# Altium PCB main_not_rotated.PcbDoc (part 1 of 2) (continued)
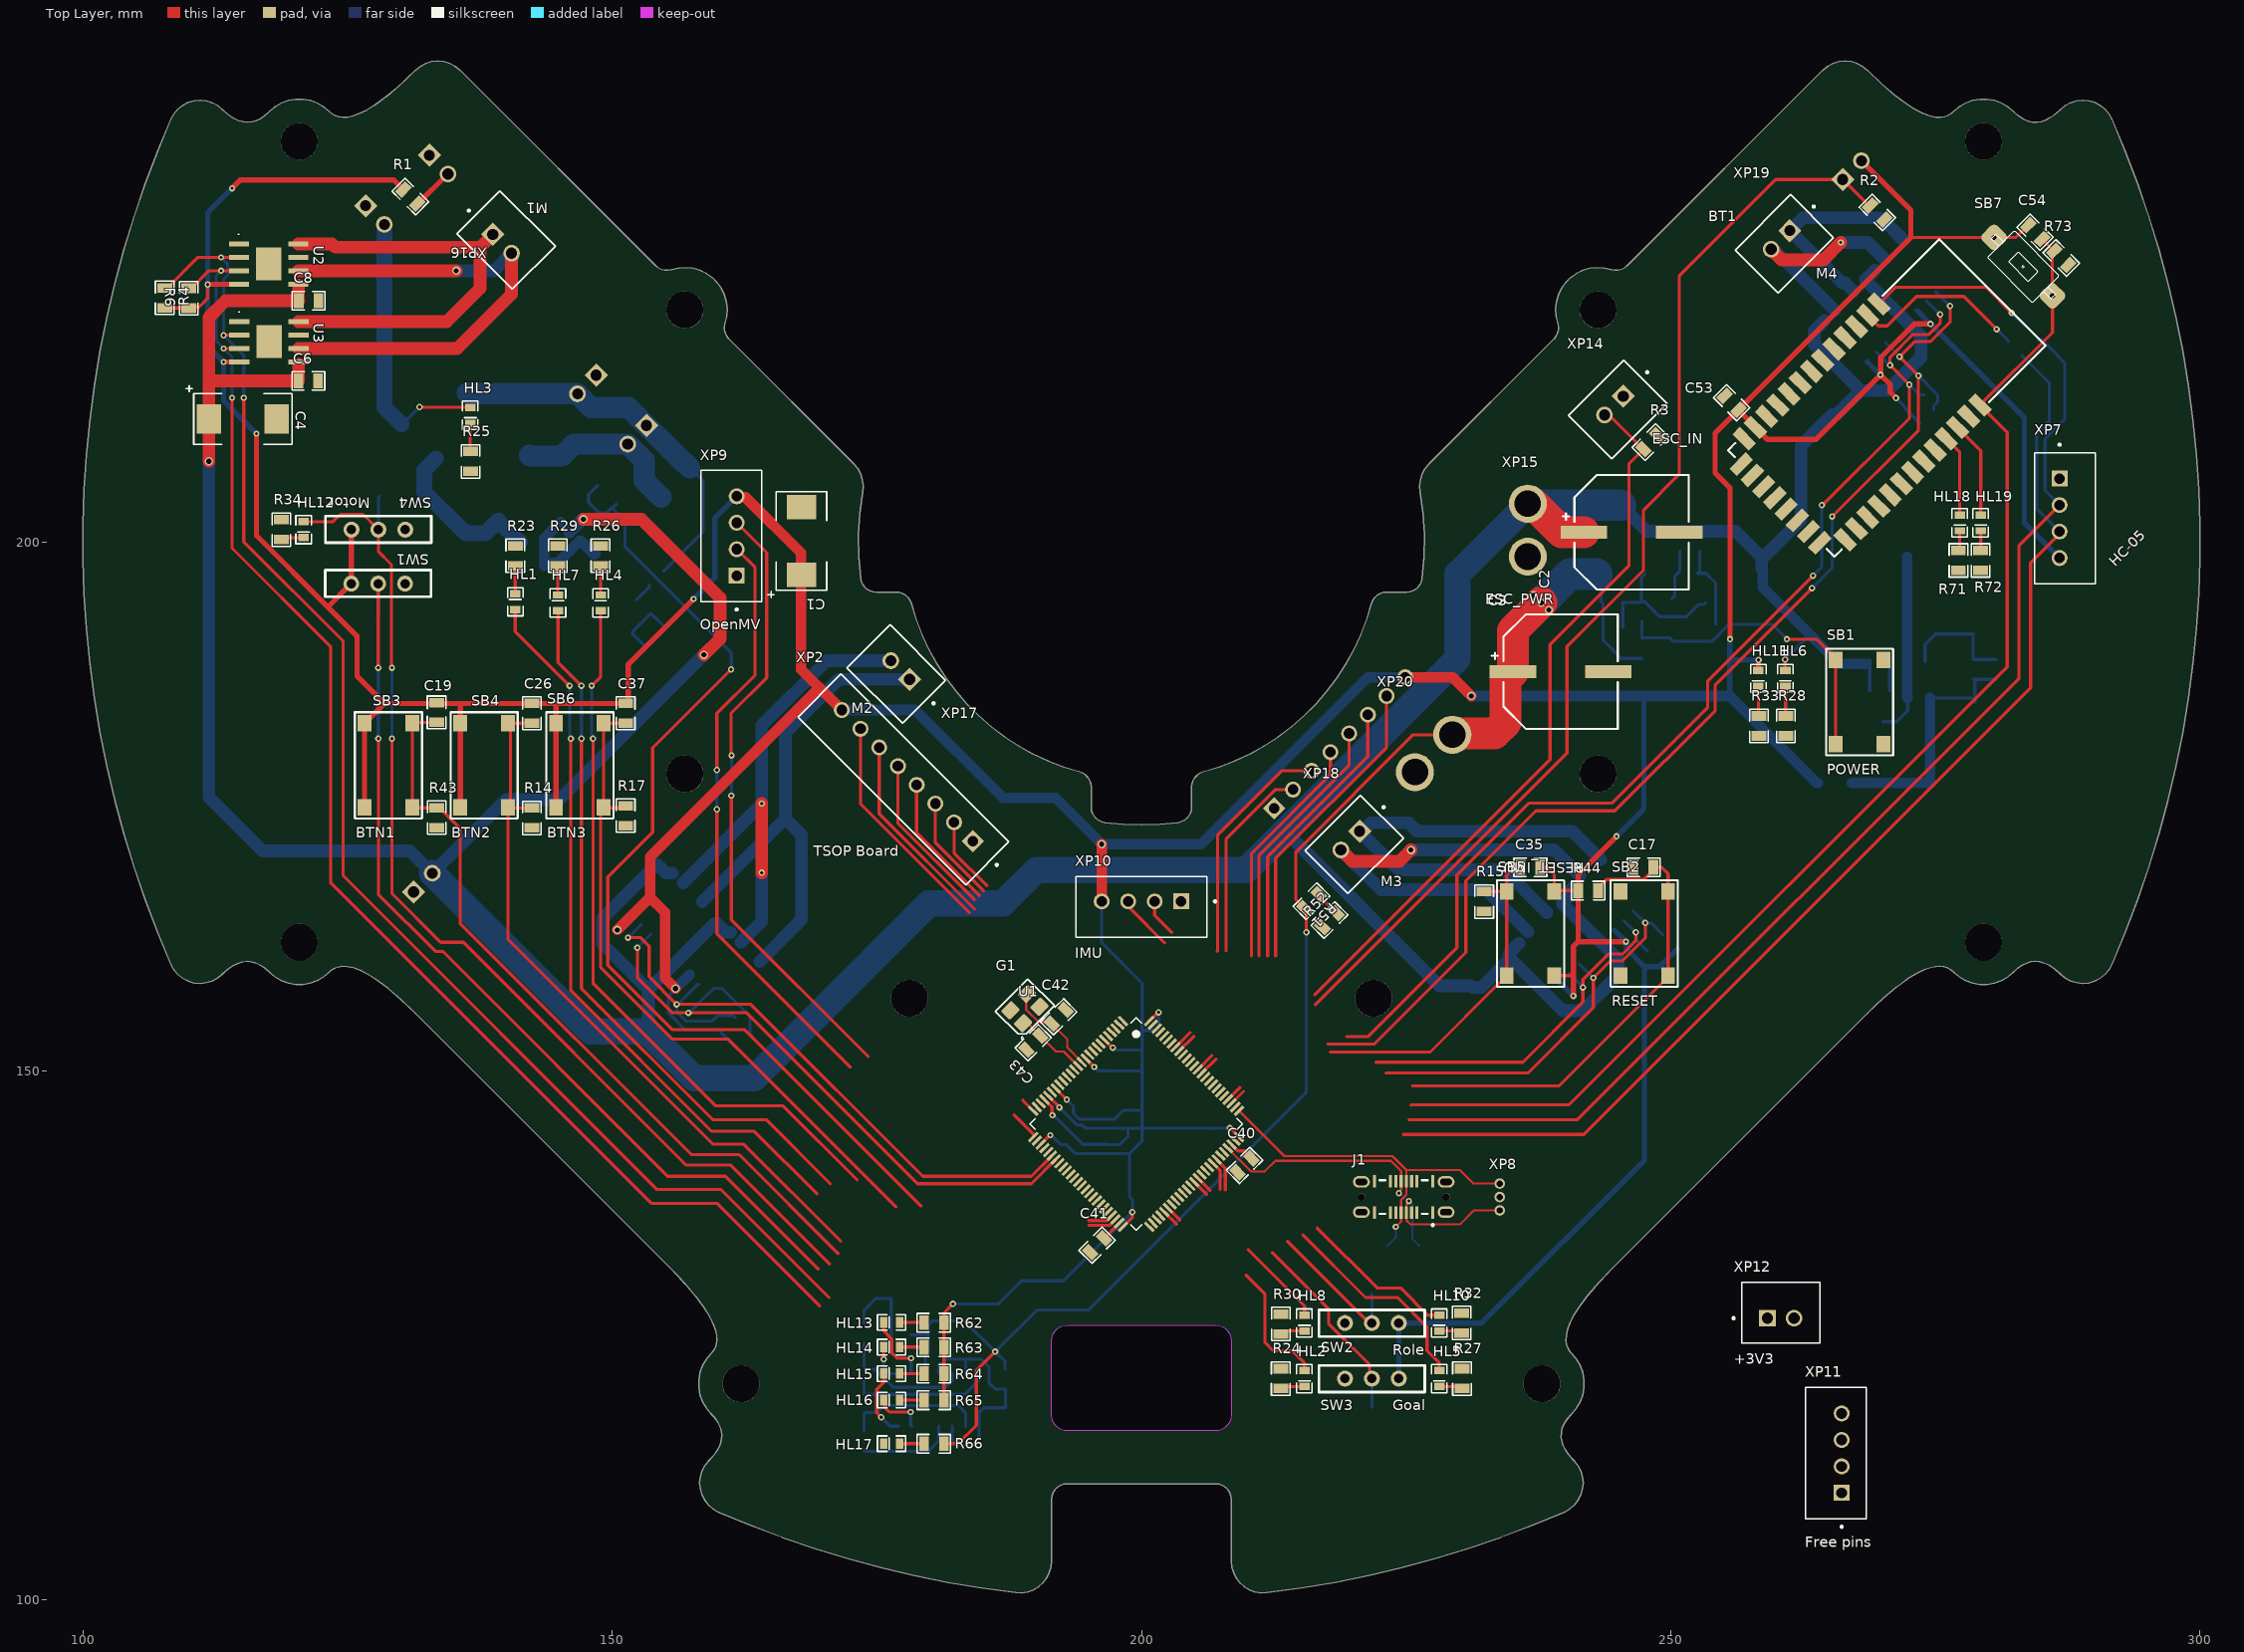
[diagram p0: Top Layer view]
## Components (designator, comment, footprint, x,y, rotation, side; value= is the part's Value field where it differs from the comment)
BT1 "HC-05" HC-05 269.737,212.799 r315 top
C1 "47uF" CAP_TANT_D 167.894,200.054 r90 top
C2 "470uF" D10C4.4H10 246.3,200.9 r0 top
C3 "25v 470uF" D10C4.4H10 239.6,187.732 r0 top
C4 "25v 47uF" CAP_TANT_D 115.1,211.6 r0 top
C5 "25v 47uF" CAP_TANT_D 152.765,149.8 r225 bottom
C6 "0.1uF" CAP0805 121.3,215.194 r180 top
C7 "0.1uF" CAP0805 154.879,170.2 r225 bottom
C8 "0.1uF" CAP0805 121.337,222.793 r180 top
C9 "0.1uF" CAP0805 160.317,164.574 r225 bottom
C10 "25v 47uF" CAP_TANT_D 234.5,155.8 r315 bottom
C11 "25v 47uF" CAP_TANT_D 263.018,214.283 r135 bottom
C12 "0.1uF" CAP0805 234.1,161.4 r315 bottom
C13 "0.1uF" CAP0805 262.867,220.586 r315 bottom
C14 "0.1uF" CAP0805 239.182,166.391 r315 bottom
C15 "0.1uF" CAP0805 267.788,225.41 r315 bottom
C16 "220uF" D8C3.2H12 258.6,200.92 r90 bottom
C17 "1uF" CAP0805 247.431,169.235 r0 top
C18 "1uF" CAP0805 266.858,187.523 r90 bottom
C19 "1uF" CAP0805 133.414,183.877 r270 top
C20 "1uF" CAP0805 198.75,149.083 r270 bottom
C21 "0.1uF" CAP0805 196.714,149.1 r270 bottom
C22 "1uF" CAP0805 194.73,142.144 r270 bottom
C23 "0.1uF" CAP0805 196.838,142.123 r270 bottom
C24 "0.1uF" CAP0805 200.069,146.282 r0 bottom
C25 "1uF" CAP0805 269.738,185.9 r180 bottom
C26 "1uF" CAP0805 142.426,183.8 r270 top
C27 "0.1uF" CAP0805 198.75,152.904 r90 bottom
C28 "0.1uF" CAP0805 192.666,142.1 r270 bottom
C29 "0.1uF" CAP0805 201.45,152.9 r270 bottom
C30 "0.1uF" CAP0805 197.948,138.095 r180 bottom
C31 "0.1uF" CAP0805 194.691,145.535 r270 bottom
C32 "0.1uF" CAP0805 206.828,143.623 r270 bottom
C33 "1uF" CAP0805 196.789,145.524 r270 bottom
C34 "1uF" CAP0805 279.664,184.81 r180 bottom
C35 "1uF" CAP0805 236.741,169.241 r180 top
C36 "330uF" D10C4.4H10 279.549,177.2 r0 bottom
C37 "1uF" CAP0805 151.28,183.8 r270 top
C38 "33nF" CAP0805 278.57,187.95 r270 bottom
C40 "2.2uF" CAP0805 209.746,141.085 r45 top
C41 "2.2uF" CAP0805 195.805,133.537 r45 top
C42 "20pF" CAP0805 192.181,155.116 r45 top
C43 "20pF" CAP0805 189.777,152.672 r225 top
C44 "1uF" CAP0805 247.293,193.417 r270 bottom
C45 "0.1uF" CAP0805 244.542,194.167 r180 bottom
C46 "10uF" CAP0805 252.749,200.025 r90 bottom
C52 "0.1uF" CAP0805 180.8,125.044 r180 bottom
C53 "0.1uF" CAP0805 255.753,213.139 r315 top
C54 "0.1uF" CAP0805 284.415,229.251 r315 top
D1 "3.3V" SOD-80 150.695,192.721 r135 bottom
D2 "8.2V" SOD-80 178.1,128.513 r0 bottom
DA1 "XL4015" TO263-5L 272.515,194.935 r180 bottom
G1 "8 MHz" TSX-3225 188.999,155.901 r45 top
HL1 "LED1" LED0603_WHITE 140.851,194.328 r270 top
HL2 "BG" LED0603_WHITE 215.4,120.936 r90 top
HL3 "48V" LED0603_GREEN 136.6,211.95 r90 top
HL4 "LED2" LED0603_WHITE 148.918,194.228 r270 top
HL5 "YG" LED0603_WHITE 228.139,120.936 r90 top
HL6 "12V" LED0603_GREEN 260.823,187.1 r90 top
HL7 "LED3" LED0603_WHITE 144.885,194.228 r270 top
HL8 "ST" LED0603_WHITE 215.4,126.186 r90 top
HL10 "GK" LED0603_WHITE 228.139,126.186 r90 top
HL11 "3V3" LED0603_GREEN 258.271,187.1 r90 top
HL12 "M_ON" LED0603_RED 120.856,201.15 r90 top
HL13 "White" LED0603_GREEN 176.4,126.247 r0 top
HL14 "White" LED0603_GREEN 176.4,123.913 r0 top
HL15 "White" LED0603_GREEN 176.4,121.413 r0 top
HL16 "White" LED0603_GREEN 176.4,118.913 r0 top
HL17 "Red" LED0603_RED 176.4,114.793 r0 top
HL18 "White" LED0603_WHITE 277.304,201.792 r90 top
HL19 "White" LED0603_WHITE 279.284,201.792 r90 top
J1 "USB" USB-C 224.758,138.07 r180 top
L1 "47uH" VLS3012HBX 273.427,185.243 r0 bottom
R1 "70R" RES0805 130.927,232.601 r135 top
R2 "10K" RES0805 269.5,231.1 r135 top
R3 "10K" RES0805 248.1,209.4 r225 top
R4 "10K" RES0805 107.76,223.056 r270 top
R5 "10K" RES0805 162.536,152.727 r225 bottom
R6 "10K" RES0805 110.039,223.014 r270 top
R7 "10K" RES0805 160.971,154.387 r225 bottom
R8 "10K" RES0805 249.932,162.164 r315 bottom
R9 "10K" RES0805 274.166,211.85 r225 bottom
R10 "10K" RES0805 248.439,160.675 r315 bottom
R11 "10K" RES0805 272.755,213.304 r225 bottom
R12 "22K" RES0805 280.714,187.95 r270 bottom
R13 "13K" RES0805 279.564,191.307 r180 bottom
R14 "10K" RES0805 142.406,173.912 r90 top
R15 "10K" RES0805 232.362,166.004 r90 top
R16 "0R" RES1206 265.51,177.2 r180 bottom
R17 "10K" RES0805 151.26,174.118 r90 top
R18 "10K" RES0805 152.058,201.178 r135 bottom
R19 "10K" RES0805 206,155.9 r45 bottom
R20 "10K" RES0805 204.283,157.393 r225 bottom
R21 "15R" RES1206 142.438,198.858 r135 bottom
R22 "10K" RES0805 149.053,198.173 r315 bottom
R23 "1K" RES0805 140.872,198.685 r270 top
R24 "1K" RES0805 213.18,120.936 r270 top
R25 "22K" RES0805 136.6,207.6 r90 top
R26 "1K" RES0805 148.918,198.685 r270 top
R27 "1K" RES0805 230.3,120.936 r270 top
R28 "4.7K" RES0805 260.852,182.6 r90 top
R29 "1K" RES0805 144.895,198.685 r270 top
R30 "1K" RES0805 213.2,126.094 r270 top
R32 "1K" RES0805 230.28,126.186 r270 top
R33 "1K" RES0805 258.299,182.6 r90 top
R34 "1K" RES0805 118.787,201.15 r270 top
R35 "10K" RES0805 126.9,192.913 r0 bottom
R36 "10K" RES0805 247.293,189.917 r90 bottom
R37 "100K" RES0805 244.542,191.917 r0 bottom
R38 "10K" RES0805 220.778,128.92 r0 bottom
R39 "300K" RES0805 251.578,197 r0 bottom
R40 "100K" RES0805 250.863,200.062 r90 bottom
R41 "10K" RES0805 220.778,118.2 r0 bottom
R42 "10K" RES0805 127.05,204.24 r0 bottom
R43 "10K" RES0805 133.42,173.93 r90 top
R44 "10K" RES0805 242.2,167.028 r180 top
R48 "1K" RES0805 154.208,196.542 r45 bottom
R49 "13K" RES0805 153.007,193.892 r135 bottom
R50 "1K" RES0805 155.672,191.114 r135 bottom
R51 "39K" RES0805 216.086,166.025 r225 top
R52 "11K" RES0805 217.749,164.277 r45 top
R53 "1K" RES0805 153.912,189.325 r135 bottom
R54 "10K" RES0805 177.3,125.05 r0 bottom
R55 "27K" RES0805 173.825,125.199 r90 bottom
R56 "1K" RES0805 173.825,121.835 r90 bottom
R57 "1K" RES0805 173.825,118.512 r90 bottom
R58 "1K" RES0805 173.805,115.113 r90 bottom
R59 "24K" RES0805 176.1,113.113 r90 bottom
R60 "10K" RES0805 187.166,120.893 r90 bottom
R61 "5.1K" RES0805 187.166,117.235 r90 bottom
R62 "1K" RES0805 180.4,126.247 r0 top
R63 "1K" RES0805 180.4,123.913 r0 top
R64 "1K" RES0805 180.4,121.413 r0 top
R65 "1K" RES0805 180.4,118.913 r0 top
R66 "4.7K" RES0805 180.4,114.813 r0 top
R67 "10K" RES0805 284.218,215.25 r45 bottom
R68 "10K" RES0805 287.218,218.275 r225 bottom
R69 "0R" RES0805 284.054,219.74 r315 bottom
R70 "0R" RES0805 282.55,218.25 r315 bottom
R71 "1K" RES0805 277.156,198.244 r90 top
R72 "1K" RES0805 279.254,198.242 r90 top
R73 "10K" RES0805 286.865,226.8 r135 top
SB1 "POWER" DTSM-61N-V-T/R 265.592,188.838 r270 top
SB2 "RESET" DTSM-61N-V-T/R 249.75,159.008 r90 top
SB3 "BTN1" DTSM-61N-V-T/R 131.119,174.893 r90 top
SB4 "BTN2" DTSM-61N-V-T/R 140.159,174.893 r90 top
SB5 "RESET_IMU" DTSM-61N-V-T/R 234.5,166.958 r270 top
SB6 "BTN3" DTSM-61N-V-T/R 149.2,174.893 r90 top
SB7 "PTS636 SP43 LFS" "PTS636 SP43 LFS" 283.3,226 r135 top
SW1 "ESP1010" ESP1010 127.956,196.064 r0 top
SW2 "Role" ESP1010 221.717,126.172 r180 top
SW3 "Goal" ESP1010 221.717,120.922 r180 top
SW4 "Motor" ESP1010 127.977,201.164 r0 top
U1 "STM32F407VGT6" LQFP100 199.5,145 r315 top
U2 "DRV8870" HSOP-8 117.5,226.25 r270 top
U3 "DRV8870" HSOP-8 117.537,218.909 r270 top
U4 "DRV8870" HSOP-8 155.165,165.325 r135 bottom
U5 "DRV8870" HSOP-8 160.606,159.686 r135 bottom
U6 "DRV8870" HSOP-8 238.975,161.612 r225 bottom
U7 "DRV8870" HSOP-8 244.061,166.609 r225 bottom
U8 "DRV8870" HSOP-8 267.949,220.309 r225 bottom
U9 "DRV8870" HSOP-8 272.676,225.133 r225 bottom
U10 "SOIC-14" SOIC-14 180.835,118.948 r270 bottom
VD1 "Diode TVS" "DO-214AC (SMA)" 221.32,133.5 r180 bottom
VD2 "Diode TVS" "DO-214AC (SMA)" 228.178,133.503 r0 bottom
VD3 "Diode Schottky" "DO-214AC (SMA)" 268.1,183 r180 bottom
VD5 "Diode Schottky" "DO-214AC (SMA)" 156,205.587 r225 bottom
VD6 "Diode Schottky" "DO-214AC (SMA)" 250.098,192.675 r90 bottom
VT1 "IRS4427" SOIC-8 147.285,203.123 r225 bottom
VT2 "STD30NF06L" DPAK 139.875,205.937 r45 bottom
VT3 "TPSTD10P6F6" DPAK 134.025,211.831 r45 bottom
VT4 "IRLML2502" SOT-23-3 253.25,193.25 r90 bottom
VT5 "FDD6637" DPAK 245.25,200.25 r90 bottom
XP1 "Line Board" JST_XH-8 218.75,181 r45 bottom
XP2 "TSOP Board" JST_XH-8 177.872,177.904 r135 top
XP3 "BALL_LED" JST_XH-2 133.245,235.263 r315 bottom
XP4 "CAP" JST_XH-2 147.245,215.237 r225 bottom
XP5 "BALL_SEN" JST_XH-2 267.5,234.75 r45 bottom
XP6 "Solenoid" JST_XH-2 151.995,210.487 r225 bottom
XP7 "HC-05" JST_XH-4 287.255,202.221 r270 top
XP8 "ST-Lnk" 3x1.27 233.85,138.095 r90 top
XP9 "OpenMV" JST_XH-4 161.246,200.55 r90 top
XP10 "IMU" JST_XH-4 200,165.5 r180 top
XP11 "Free pins" JST_XH-4 265.618,113.893 r90 top
XP12 "+3V3" JST_XH-2 260.393,127.168 r0 top
XP14 "ESC_IN" JST_XH-2 245,212.5 r225 top
XP15 "ESC_PWR" XT30_3D 236.5,201.1 r90 top
XP16 "M1" JST_XH-2 139.987,228.524 r315 top
XP17 "M2" JST_XH-2 176.845,187.513 r135 top
XP18 "M3" JST_XH-2 220.1,171.4 r225 top
XP19 "M4" JST_XH-2 260.737,228.154 r225 top
XP20 "BAT" XT30_3D 227.6,180 r45 top
XP21 "XL6009 IN" JST_XH-2 132.5,167.429 r45 bottom
XP22 "XL6009 OUT" JST_XH-2 127.231,230.495 r315 bottom

## Footprints (in the part's own frame and the unit in brackets; to place one, negate y for a bottom-side part, rotate by r counter-clockwise, add the part's x,y. Pads: shape width x height; smd on the part's side, far side on the other; paste and mask are expansions set on the pad)
3x1.27 [mm]
  round 1 hole 0.6: 1(-1.27,0) 2(0,0) 3(1.27,0)
  body extent -1.9,-1.23 1.9,1.27, height 4.1
CAP0805 [mm] "SMD ceramic capacitor 0805"
  rect 0.9x1.397 smd: 1(-0.929,0.006) 2(0.931,0.006)
  silkscreen extent -1.55,-0.88 1.55,0.88, body extent -1,-0.63 1,0.62, height 1.24
CAP_TANT_D [mil]
  rect 90x110 smd: 1(126.76,-0.24) 2(-125.2,-0.24)
  silkscreen extent -211,-94 184,125, body extent -148,-89 148,89, height 122
D8C3.2H12 [mm]
  rect 3.2x1.2 smd: 1(-3.4,0) 2(3.4,0)
  round 0.5 on Mech1: ""(-4.3,-3.7)
  silkscreen extent -5.5,-4.4 4.4,4.4, body extent -4.85,-4.25 4.85,4.25, height 10.5
D10C4.4H10 [mm]
  rect 4.4x1.2 smd: 1(-4.5,0) 2(4.5,0)
  silkscreen extent -6.5,-5.4 5.4,5.4, body extent -5.9,-5.25 5.9,5.25, height 10.5
"DO-214AC (SMA)" [mm] "SMA"
  rrect0% 2x2.1 smd: A(1.95,0.003) K(-1.95,0.003)
  silkscreen extent -3.25,-1.6 3.22,1.6, body extent -2.65,-1.4 2.65,1.4, height 2.3
DPAK [mm] "TO-252"
  rect 6.25x6.5 smd: D(3.219,0.034)
  rect 2.5x1.2 smd: G(-3.281,2.324) S(-3.281,-2.256)
  round 0.5 on Mech1: ""(-3.231,2.934)
  silkscreen extent -3.41,-3.27 -0.33,3.75, body extent -3.83,-3.28 6.27,3.45, height 2.37
DTSM-61N-V-T/R [mm] "Tactile button"
  rect 1.55x1.3 smd: 1(0,4.5) 2(7.95,4.5) 3(0,0) 4(7.95,0)
  silkscreen extent -1.05,-0.93 9,5.43, body extent -0.52,-0.75 8.47,5.25, height 4.3
ESP1010 [mm] "Slide switch"
  round 1.5 hole 0.9: 1(-2.596,-0.014) 2(-0.056,-0.014) 3(2.484,-0.014)
  silkscreen extent -5.06,-1.24 4.94,1.26, body extent -5.06,-1.24 4.94,1.26, height 6.55
HC-05 [mm] "Bluetooth HC-05"
  rect 2.2x1 smd: 1(-6.886,6.787) 2(-6.886,5.287) 3(-6.886,3.787) 4(-6.886,2.287) 5(-6.886,0.787) 6(-6.886,-0.713) 7(-6.886,-2.213) 8(-6.886,-3.713) 9(-6.886,-5.213) 10(-6.886,-6.713) 11(-6.886,-8.213) 12(-6.886,-9.713) 13(-6.886,-11.213) 22(6.614,-11.213) 23(6.614,-9.713) 24(6.614,-8.213) 25(6.614,-6.713) 26(6.614,-5.213) 27(6.614,-3.713) 28(6.614,-2.213) 29(6.614,-0.713) 30(6.614,0.787) 31(6.614,2.287) 32(6.614,3.787) 33(6.614,5.287) 34(6.614,6.787)
  rect 1x2.2 smd: 14(-5.386,-13.113) 15(-3.886,-13.113) 16(-2.386,-13.113) 17(-0.886,-13.113) 18(0.614,-13.113) 19(2.114,-13.113) 20(3.614,-13.113) 21(5.114,-13.113)
  round 0.5 on Mech1: 33(-6.586,7.787)
  round 0.5 on Top Overlay: 34(-7.686,7.787)
  silkscreen extent -7.19,-13.06 7.01,15.14, body extent -6.55,-12.95 6.45,13.95, height 2.2
HSOP-8 [mm]
  rect 0.45x1.9 smd: 1(-1.897,-2.75) 2(-0.627,-2.75) 3(0.643,-2.75) 4(1.913,-2.75) 5(1.913,2.85) 6(0.643,2.85) 7(-0.627,2.85) 8(-1.897,2.85)
  rect 3.1x2.4 smd: 9(0.008,0.05)
  body extent -2.44,-2.9 2.46,3, height 1.46
JST_XH-2 [mm] "JST_B2B-XH-A(LF)(SN)"
  rect 1.575x1.575 / inner round 1.575 / far side rect 1.575x1.575 hole 1.05: 1(-1.25,-0.525)
  round 1.575 hole 1.05: 2(1.25,-0.525)
  silkscreen extent -4.55,-2.88 3.7,2.88, body extent -3.7,-2.88 3.7,2.88, height 7
JST_XH-4 [mm] "JST_B4B-XH-A(LF)(SN)"
  rect 1.508x1.508 / inner round 1.508 / far side rect 1.508x1.508 hole 1: 1(-3.75,-0.525)
  round 1.508 hole 1: 2(-1.25,-0.525) 3(1.25,-0.525) 4(3.75,-0.525)
  silkscreen extent -7.05,-2.88 6.2,2.88, body extent -6.2,-2.88 6.2,2.88, height 7
JST_XH-8 [mm] "JST_B8B-XH-A(LF)(SN)"
  rect 1.508x1.508 hole 1: 1(-8.75,-0.017)
  round 1.508 hole 1: 2(-6.25,-0.017) 3(-3.75,-0.017) 4(-1.25,-0.017) 5(1.25,-0.017) 6(3.75,-0.017) 7(6.25,-0.017) 8(8.75,-0.017)
  silkscreen extent -12.05,-2.37 11.2,3.38, body extent -11.2,-2.37 11.2,3.38, height 7
LED0603_GREEN [mm] "Green SMD LED"
  rect 0.7x1 smd: 1(-0.75,0) 2(0.75,0)
  silkscreen extent -1.33,-0.73 1.33,0.73, body extent -0.8,-0.4 0.8,0.4, height 0.6
LED0603_RED [mm] "Red SMD LED"
  rect 0.7x1 smd: 1(-0.75,0) 2(0.75,0)
  silkscreen extent -1.33,-0.73 1.33,0.73, body extent -0.82,-0.4 0.78,0.4, height 0.6
LED0603_WHITE [mm] "White SMD LED"
  rect 0.7x1 smd: 1(-0.75,0) 2(0.75,0)
  silkscreen extent -1.33,-0.73 1.33,0.73, body extent -0.8,-0.4 0.8,0.4, height 0.75
LQFP100 [mm] "Microcontroller"
  rect 1.2x0.3 smd: 1(-7.75,6) 2(-7.75,5.5) 3(-7.75,5) 4(-7.75,4.5) 5(-7.75,4) 6(-7.75,3.5) 7(-7.75,3) 8(-7.75,2.5) 9(-7.75,2) 10(-7.75,1.5) 11(-7.75,1) 12(-7.75,0.5) 13(-7.75,0) 14(-7.75,-0.5) 15(-7.75,-1) 16(-7.75,-1.5) 17(-7.75,-2) 18(-7.75,-2.5) 19(-7.75,-3) 20(-7.75,-3.5) 21(-7.75,-4) 22(-7.75,-4.5) 23(-7.75,-5) 24(-7.75,-5.5) 25(-7.75,-6) 51(7.75,-6) 52(7.75,-5.5) 53(7.75,-5) 54(7.75,-4.5) 55(7.75,-4) 56(7.75,-3.5) 57(7.75,-3) 58(7.75,-2.5) 59(7.75,-2) 60(7.75,-1.5) 61(7.75,-1) 62(7.75,-0.5) 63(7.75,0) 64(7.75,0.5) 65(7.75,1) 66(7.75,1.5) 67(7.75,2) 68(7.75,2.5) 69(7.75,3) 70(7.75,3.5) 71(7.75,4) 72(7.75,4.5) 73(7.75,5) 74(7.75,5.5) 75(7.75,6)
  rect 0.3x1.2 smd: 26(-6,-7.75) 27(-5.5,-7.75) 28(-5,-7.75) 29(-4.5,-7.75) 30(-4,-7.75) 31(-3.5,-7.75) 32(-3,-7.75) 33(-2.5,-7.75) 34(-2,-7.75) 35(-1.5,-7.75) 36(-1,-7.75) 37(-0.5,-7.75) 38(0,-7.75) 39(0.5,-7.75) 40(1,-7.75) 41(1.5,-7.75) 42(2,-7.75) 43(2.5,-7.75) 44(3,-7.75) 45(3.5,-7.75) 46(4,-7.75) 47(4.5,-7.75) 48(5,-7.75) 49(5.5,-7.75) 50(6,-7.75) 76(6,7.75) 77(5.5,7.75) 78(5,7.75) 79(4.5,7.75) 80(4,7.75) 81(3.5,7.75) 82(3,7.75) 83(2.5,7.75) 84(2,7.75) 85(1.5,7.75) 86(1,7.75) 87(0.5,7.75) 88(0,7.75) 89(-0.5,7.75) 90(-1,7.75) 91(-1.5,7.75) 92(-2,7.75) 93(-2.5,7.75) 94(-3,7.75) 95(-3.5,7.75) 96(-4,7.75) 97(-4.5,7.75) 98(-5,7.75) 99(-5.5,7.75) 100(-6,7.75)
  silkscreen extent -7.1,-7.1 7.1,7.1, body extent -8.03,-8 7.97,8, height 1.6
"PTS636 SP43 LFS" [mm]
  rrect50% 2x2 hole 0.5: 1(-3.9,0) 2(3.9,0)
  silkscreen extent -4,-1.8 4,1.8
RES0805 [mm] "SMD resistor 0805"
  rect 0.9x1.397 smd: 1(-0.938,-0.02) 2(0.942,-0.02)
  silkscreen extent -1.58,-0.9 1.58,0.85, body extent -1,-0.63 1,0.62, height 0.5
RES1206 [mm] "SMD resistor 1206"
  rect 1x1.77 smd: 1(-1.6,0) 2(1.6,0)
  silkscreen extent -2.28,-1.08 2.28,1.08, body extent -1.6,-0.8 1.6,0.8, height 0.55
SOD-80 [mm]
  rect 1.11x1.73 smd: A(1.67,0.022) K(-1.74,0.022)
  silkscreen extent -2.8,-1.09 2.47,1.14, body extent -1.79,-0.78 1.71,0.82, height 1.6
SOIC-8 [mm] "SOIC-8"
  rrect25% 1.97x0.6 smd: 1(-2.498,1.907) 2(-2.498,0.637) 3(-2.498,-0.633) 4(-2.498,-1.903) 5(2.442,-1.903) 6(2.442,-0.633) 7(2.442,0.637) 8(2.442,1.907)
  silkscreen extent -2.3,-2.7 2.3,3.3, body extent -2.95,-2.45 2.95,2.45, height 1.5
SOIC-14 [mm] "SOIC-14"
  rrect50% 1.97x0.6 smd: 1(-2.441,3.804) 2(-2.441,2.534) 3(-2.441,1.264) 4(-2.441,-0.006) 5(-2.441,-1.276) 6(-2.441,-2.546) 7(-2.441,-3.816) 8(2.509,-3.816) 9(2.509,-2.546) 10(2.509,-1.276) 11(2.509,-0.006) 12(2.509,1.264) 13(2.509,2.534) 14(2.509,3.804)
  silkscreen extent -2.2,-4.57 2.3,5.1, body extent -2.97,-4.33 3.03,4.32, height 1.75
SOT-23-3 [mm]
  rect 0.8x0.8 smd: D(0.967,0.043)
  rect 0.9x0.8 smd: G(-1.033,0.993) S(-1.033,-0.907)
  silkscreen extent -1.68,-1.51 1.57,2.14, body extent -1.18,-1.46 1.12,1.54, height 1.1
TO263-5L [mm] "XL4015"
  rect 1.05x2.5 smd: 1(-3.199,-6.264) 2(-1.499,-6.264) 3(0.201,-6.264) 4(1.901,-6.264) 5(3.601,-6.264)
  rect 10.9x9.1 smd: 3(0.201,3.636)
  body extent -4.88,-6.92 5.28,7.74, height 4.83
TSX-3225 [mm]
  round 0.508 on Mech15: 0(0,0)
  rrect25% 1.4x1.2 smd: 1(-1.1,-0.85) 2(1.1,-0.85) 3(1.1,0.85) 4(-1.1,0.85)
  silkscreen extent -2.26,-1.88 2.16,1.78, body extent -1.65,-1.3 1.65,1.3, height 0.8
USB-C [mm] "USB4145-04-0070-C"
  rect 0.3x1.15 smd: A1(-2.77,1.46) A4(-1.27,1.46) A5(-0.77,1.46) A6(-0.27,1.46) A7(0.23,1.46) A8(0.73,1.46) A9(1.23,1.46) A12(2.73,1.46) B1(2.73,-1.51) B4(1.23,-1.51) B5(0.73,-1.51) B6(0.23,-1.51) B7(-0.27,-1.51) B8(-0.77,-1.51) B9(-1.27,-1.51) B12(-2.77,-1.51)
  oval 1.6x1.1 hole 0.6 slot 1.1 at 0 deg: S1(-4.02,1.405) S2(3.98,1.405) S3(-4.02,-1.455) S4(3.98,-1.455)
  round 0.71 hole 0.71 unplated: ""(-4.02,-0.025) ""(3.98,-0.025)
  silkscreen extent -2.87,-1.61 2.26,2.73, body extent -4.5,-1.87 4.45,1.82, height 7.46
VLS3012HBX [mm]
  rrect50% 1x3.4 smd: 1(-1.05,0)
  rrect70% 1x3.4 smd: 2(1.05,0)
  silkscreen extent -1.72,-1.85 1.73,1.88, body extent -1.5,-1.52 1.47,1.52, height 1.2
XT30_3D [mm]
  round 3.6 hole 2.5 paste+6: 1(-2.5,0) 2(2.5,0)
  body extent -5.23,-2.58 5.23,2.67, height 13

## Part data
BT1: "Bluetooth HC-05", ComponentLink1Description=Chipdip, ComponentLink1URL=https://www.chipdip.ru/product0/8020390968
C1 C4 C5 C10 C11: library part "CAP Tantal", "Tantal SMD Cap"
C2 C36: library part "Cap Aluminum", "25V", ComponentLink1Description=Chipdip
  C2: ComponentLink1URL=https://www.chipdip.ru/product0/9000565743
  C36: ComponentLink1URL=https://www.chipdip.ru/product0/9000565748
C3: library part "Cap Aluminum", ComponentLink1Description=Chipdip, ComponentLink1URL=https://www.chipdip.ru/product0/9000565743
C6 C7 C8 C9 C12 C13 C14 C15 C17 C18 C19 C20 C21 C22 C23 C24 C25 C26 C27 C28 C29 C30 C31 C32 C33 C34 C35 C37 C38 C40 C41 C42 C43 C44 C45 C46 C52 C53 C54: library part "CAP Ceramic", "Ceramic SMD Cap"
C16: library part "Cap Aluminum", "50V", ComponentLink1Description=Chipdip, ComponentLink1URL=https://www.chipdip.ru/product0/9000565743
D1 D2: library part "Diode Zener", "Zener Diode / BZV55C8V2"
DA1: "Buck converter"
G1: library part "TSX-3225 24.0000MF15X-AC6", "24MHz ±10ppm Crystal 9pF 40 Ohms 4-SMD, No Lead", Digi-Key Part Number=SER4180CT-ND, HelpURL=https://www.digikey.com/en/products/detail/epson/TSX-3225-24-0000MF15X-AC6/5261221, Manufacturer Part Number="TSX-3225 24.0000MF15X-AC6", Part Number="TSX-3225 24.0000MF15X-AC6", Price$=0.33
HL1 HL2 HL3 HL4 HL5 HL6 HL7 HL8 HL10 HL11 HL12 HL13 HL14 HL15 HL16 HL17 HL18 HL19: library part LED, "LED smd"
J1: library part USB-C, "USB4145-04-0070-C"
L1: library part Inductor, "5A"
R1 R2 R3 R4 R5 R6 R7 R8 R9 R10 R11 R12 R13 R14 R15 R16 R17 R18 R19 R20 R21 R22 R23 R24 R25 R26 R27 R28 R29 R30 R32 R33 R34 R35 R36 R37 R38 R39 R40 R41 R42 R43 R44 R48 R49 R50 R51 R52 R53 R54 R55 R56 R57 R58 R59 R60 R61 R62 R63 R64 R65 R66 R67 R68 R69 R70 R71 R72 R73: library part RES, "RES smd"
SB1 SB2 SB3 SB4 SB5 SB6: library part Button
SB7: "TACT 6.0 X 3.5, 4.3 MM H, 320GF,", Digi-Key Part Number=CKN12304-ND, HelpURL=https://www.digikey.com/product-detail/en/c-k/PTS636-SP43-LFS/CKN12304-ND/10071717, Manufacturer Part Number="PTS636 SP43 LFS", Part Number="PTS636 SP43 LFS", Price$=0.1
SW1: "2 pos switch", ComponentLink1Description=Chipdip, ComponentLink1URL=https://www.chipdip.ru/product0/8007034319
SW2 SW3 SW4: library part ESP1010, "2 pos switch", ComponentLink1Description=Chipdip, ComponentLink1URL=https://www.chipdip.ru/product0/8007034319
U1: "ARM Cortex-M4 32-bit MCU+FPU, 210 DMIPS, 1024 kB Flash, 192 kB Internal RAM, 82 I/Os, 100-pin LQFP, -40 to 85 degC, Tray", I/Os (High Current)=82, Manufacturer=STMicroelectronics, Operating Frequency(F) (Processor speed) (MHz)=168, Supplier Part Number 1=497-11605-ND, Supply Voltage(Vcc) max (V)=3.6, Supply Voltage(Vcc) min (V)=1.8, ComponentLink1Description="Manufacturer URL", ComponentLink1URL=http://www.st.com/web/en/home.html, ComponentLink2Description=Datasheet, ComponentLink2URL=http://www.st.com/st-web-ui/static/active/en/resource/technical/document/datasheet/DM00037051.pdf, ComponentLink3Description="Package Specification", ComponentLink3URL=http://www.st.com/st-web-ui/static/active/en/resource/technical/document/data_brief/DM00071938.pdf, Core="ARM Cortex-M4", D/A Converter=2x12-bit, DatasheetVersion="Rev. 4", FLASH Size (Prog) (kB)=1024, Internal RAM Size (kB)=192, Mounting Technology="Surface Mount", PackageDescription="100-Pin Low Profile Quad Flat Package, 14 x 14 mm Body, 0.5 mm Pitch", PackageReference=LQFP100, PackageVersion="Rev. 1, 06/2013", Packing=Tray, PartNumber=STM32F407VGT6, Supplier 1=Digi-Key, Supplier 2=Farnell, Supplier 3=Newark, Supplier 4=Mouser, Supplier Part Number 2=2064368, Supplier Part Number 3=73T2333, Supplier Part Number 4=511-STM32F407VGT6
U2 U3 U4 U5 U6 U7 U8 U9: "DC motor driver 3.6A"
U10: library part LM139DR, "Quad differential comparator", ComponentLink1Description=Chipdip, ComponentLink1URL=https://www.chipdip.ru/product0/8013766664
VD1 VD2: "Protective diode"
VT1: "Mosfet driver"
VT2: "N-MOSFET / Uds = 60 V / Ids = 30 A / Rds = 0.023 Ohm / P = 55 W", ComponentLink1Description=Chipdip, ComponentLink1URL=https://www.chipdip.ru/product/std30nf06l-umw
VT3: "P-MOSFET / Uds = 60 V / Ids = 13 A / Rds = 0.100 Ohm / P = 60 W", ComponentLink1Description=Chipdip, ComponentLink1URL=https://www.chipdip.ru/product/tpstd10p6f6
VT4: "N-MOSFET / Uds = 20 V / Ids = 4.2 A / Rds = 0.035 Ohm / P = 8 W", ComponentLink1Description=Chipdip, ComponentLink1URL=https://www.chipdip.ru/product/irlml2502-umw
VT5: "P-MOSFET / Uds = 40 V / Ids = 40 A / Rds = 0.012 Ohm / P = 3.0 W", ComponentLink1Description=Chipdip, ComponentLink1URL=https://www.chipdip.ru/product/fdd6637-vbsemi
XP1 XP2: library part JST-XH-8, "JST_B8B-XH-A(LF)(SN)"
XP3 XP4 XP5 XP6 XP12 XP14 XP16 XP17 XP18 XP19 XP21 XP22: library part JST-XH-2, "JST_B2B-XH-A(LF)(SN)"
XP7 XP9 XP10 XP11: library part JST_XH-4, "JST_B4B-XH-A(LF)(SN)"
XP8: library part "Header 3"
XP15 XP20: library part "Power connectors"

## Free pads (board coordinates)
  round 3.5 hole 3.5: 1(120.45,162.17) 1(120.45,237.83) 1(156.866,178.08) 1(156.866,221.92) 1(162.17,120.45) 1(178.08,156.866) 1(221.92,156.866) 1(237.83,120.45) 1(243.133,178.08) 1(243.133,221.92) 1(279.549,162.17) 1(279.549,237.83)

## Via types
v1: diameter 0.6, hole 0.3, Top Layer to Bottom Layer, 79 vias
v2: diameter 0.8, hole 0.5, Top Layer to Bottom Layer, 12 vias

## Nets (pads, with @x,y where several pads share a name; then routed paths per layer and width w, separated by ;. In a path a pad name is that pad's centre, name@x,y a point inside that pad or via, vN(x,y) a via of type N, cw(c..) or ccw(c..) an arc to the next point about the centre after c; other vN are vias at no path point)
+3V3: BT1.12 C1.2 C19.1 C20.1 C21.1 C22.1 C23.1 C24.1 C26.1 C27.1 C28.1 C29.1 C30.1 C31.2 C32.1 C33.2 C35.1 C37.1 C53.2 C54.1 HL11.2 R1.2 R4.2 R5.2 R6.2 R7.2 R8.2 R9.2 R10.2 R11.2 R16.2 R20.1 R44.2 R62.2 R63.2 R64.2 R65.2 SB3.1 SB3.2 SB4.1 SB4.2 SB5.1 SB5.2 SB6.1 SB6.2 SB7.2 SW1.1 SW2.1 SW3.1 SW4.1 U1.6 U1.11 U1.19 U1.21 U1.22 U1.28 U1.50 U1.75 U1.100 U2.4 U3.4 U4.4 U5.4 U6.4 U7.4 U8.4 U9.4 XP1.8 XP2.8 XP5.2 XP7.4 XP9.4 XP10.4 XP12.2 | length 734
  Top Layer w0.3: R4.2@107.739,222.114 107.76,222.093 109.998,222.093 R6.2@110.019,222.072 110.14,222.192 110.992,222.192 111.781,222.981 111.781,224.281 v1(111.8,224.3) 111.827,224.3 v1@111.864,224.337 ; R65.2@181.342,118.893 R64.2@181.342,121.393 R63.2@181.342,123.893 R62.2@181.342,126.227 181.342,127.142 v1(182.2,128) ; U1.28@190.484,143.055 191.368,143.939 v1(191.396,143.939) ; U1.22@190.838,147.298 191.552,146.584 191.552,145.854 v1(191.593,145.813) ; U1.21@191.192,147.652 192.252,146.591 v1(192.252,146.556) ; U1.19@191.899,148.359 192.942,147.315 v1(192.942,147.298) ; U1.11@194.727,151.187 v1(195.54,150.374) ; U1.6@196.495,152.955 197.25,152.2 v1(197.3,152.2) ; U1.50@198.263,135.277 199.14,136.155 v1(199.14,136.665) ; U1.100@200.737,154.723 201.562,155.547 v1(201.621,155.547) ; v1(208.339,144.6) 208.385,144.6 U1.75@209.223,143.763 ; C35.1@237.67,169.235 238.358,169.235 239,168.593 SB5.1@239,166.958 239.09,167.048 R44.2@241.258,167.048 ; SB5.2@239,159.008 240.8,159.008 ; 272.688,228.758 SB7.2@280.542,228.758 282.609,228.758 C54.1@283.763,229.912
  Top Layer w0.5: v1@111.864,224.337 U2.4@114.75,224.337 ; v1(113.3,216.996) U3.4@114.787,216.996 ; v1(114.1,233.4) 114.893,234.193 129.364,234.193 R1.2@130.275,233.282 ; v1(116.4,210.222) 116.4,200.6 123.15,193.85 ; SW4.1@125.38,201.15 125.37,201.14 125.37,196.06 SW1.1@125.36,196.05 123.16,193.85 123.15,193.85 ; SB3.1@126.619,174.893 SB3.2@126.619,182.968 ; SB3.2@126.619,182.843 SB3.2@127.081,183.305 ; SB3.2@127.144,183.368 128.505,184.729 ; C19.1@133.42,184.806 C19.1@133.42,184.729 ; SB4.1@135.659,174.893 135.659,184.729 ; SB6.1@144.7,174.893 144.7,184.729 ; v1(157.7,194.6) 151.535,188.435 151.535,184.729 144.7,184.729 ; v1(240.8,157.1) 240.8,159.008 240.8,161.766 241.258,162.224 ; v1(244.883,172.175) 241.258,168.549 R44.2@241.258,167.048 241.258,162.224 ; v1(245.776,162.224) 241.258,162.224 ; v1(255.603,190.797) 255.603,205.101 254.2,206.504 254.2,210.27 C53.2@256.415,212.485 ; HL11.2@258.271,187.85 258.285,187.865 258.285,188.824 v1(258.3,188.839) ; XP5.2@268.013,236.005 272.688,231.33 272.688,228.758 C53.2@256.415,212.485 ; v1(271.281,213.589) 270.728,214.141 270.728,214.866 v1(269.813,215.781) ; v1(274.546,220.577) 273.01,220.577 269.832,217.399 269.832,215.801 v1(269.813,215.781) ; 123.15,193.85 125.911,191.089 125.911,187.323 128.505,184.729 ; 128.505,184.729 C19.1@133.42,184.729 ; C19.1@133.42,184.729 135.659,184.729 ; 135.659,184.729 C26.1@142.432,184.729 144.7,184.729 ; C53.2@256.415,212.485 256.415,212.435 258,210.85 BT1.12@258,210.8 259.131,209.669 263.7,209.669 v1(269.813,215.781)
  Top Layer w1: v2(150.493,163.322) 153.576,166.405 ; v2(156.006,157.783) 155,158.789 155,164.981 153.576,166.405 ; XP9.4@161.771,204.3 161.868,204.203 162.597,204.203 167.861,198.939 167.861,187.939 XP2.8@171.697,184.103 ; 169.579,186.221 153.576,170.218 153.576,166.405 ; v2(196.242,171.444) 196.25,171.436 XP10.4@196.25,166.025 ; XP1.8@224.925,187.199 229.4,187.199 v2(231.168,185.431)
  Bottom Layer w0.3: v2(156.006,157.783) 155.314,157.091 155.314,155.476 156.907,153.883 160.143,153.883 R7.2@160.319,153.707 160.319,153.611 R5.2@161.884,152.046 ; v1(182.2,128) 186.5,128 188.666,130.166 192.641,130.166 v1(199.14,136.665) 199.14,137.838 C30.1@198.877,138.101 198.877,142.2 ; v1(191.396,143.939) 191.453,143.882 191.559,143.882 192.412,143.029 C28.1@192.66,143.029 192.909,143.029 193.209,142.729 193.738,142.2 198.877,142.2 ; v1(191.593,145.813) 191.65,145.756 191.793,145.756 194.476,143.073 C22.1@194.724,143.073 196.811,143.073 C23.1@196.832,143.052 197.948,143.052 198.738,143.842 198.738,144.586 198.756,144.604 ; v1(192.252,146.556) 193.904,144.904 194.385,144.904 C31.2@194.685,144.604 C33.2@196.783,144.604 ; v1(192.942,147.298) 193.572,146.668 193.572,146.004 194.146,145.431 197.423,145.431 198.269,146.276 C24.1@199.14,146.276 200.075,146.276 ; v1(195.54,150.374) 195.885,150.029 C21.1@196.708,150.029 196.725,150.012 C20.1@198.744,150.012 200.075,150.012 ; XP10.4@196.25,166.025 196.25,162.108 200.075,158.283 200.075,153.829 ; C33.2@196.783,144.593 C33.2@196.783,144.604 ; v1(197.3,152.2) 197.381,152.2 197.606,151.975 C27.1@198.756,151.975 200.075,151.975 ; v1(201.621,155.547) 201.621,154.006 C29.1@201.444,153.829 200.075,153.829 ; C32.1@206.68,144.593 200.075,144.593 ; C32.1@206.822,144.552 206.87,144.6 v1(208.339,144.6) ; U8.4@268.541,217.011 U8.4@268.562,217.011 ; v1@269.791,215.781 v1(269.813,215.781) ; v1(271.281,213.589) 272.103,212.766 R11.2@272.103,212.623 273.514,211.213 R9.2@273.514,211.17 ; C33.2@196.783,144.604 198.756,144.604 ; 198.756,144.604 200.064,144.604 200.075,144.593 ; 198.877,142.2 200.075,143.398 200.075,144.593 ; 200.075,144.593 200.075,146.276 ; 200.075,146.276 200.075,150.012 ; 200.075,150.012 200.075,151.975 ; 200.075,151.975 200.075,153.829
  Bottom Layer w0.5: v1@113.3,216.969 113.3,213.322 v1(116.4,210.222) ; v1(113.3,216.996) 111.8,218.496 v1(111.8,224.3) 111.8,231.1 v1(114.1,233.4) ; v1(157.7,194.6) 159.699,196.599 159.699,202.228 XP9.4@161.771,204.3 ; SW3.1@224.314,120.936 SW2.1@224.314,126.186 232.148,126.186 247.513,141.551 247.513,159.847 ; U6.4@239.567,158.314 239.576,158.314 240.791,157.1 v1(240.8,157.1) ; U7.4@244.653,163.311 244.671,163.311 245.758,162.224 v1(245.776,162.224) 245.795,162.205 245.795,161.565 247.513,159.847 ; v1(244.883,172.175) 247.472,174.763 247.472,185.431 ; R8.2@250.612,161.512 R8.2@250.612,161.512 R10.2@249.12,160.023 R10.2@249.12,160.023 248.944,159.847 247.513,159.847 ; 255.582,185.431 255.582,188.779 ; v1@255.582,190.775 255.582,188.779 ; v1(258.3,188.839) 255.641,188.839 255.582,188.779 ; U8.4@268.562,217.011 v1@269.791,215.781 ; U9.4@273.268,221.835 273.278,221.835 274.536,220.577 v1(274.546,220.577) 283.405,211.718 283.405,201.796 XP7.4@286.73,198.471
  Bottom Layer w1: v2(150.493,163.322) U4.4@151.867,164.697 ; v2(156.006,157.783) 157.309,159.086 U5.4@157.309,159.095 ; XP2.8@171.697,184.103 178.634,184.103 186.94,175.798 191.897,175.798 196.25,171.444 205.641,171.444 221.396,187.199 XP1.8@224.925,187.199 ; v2(231.168,185.431) 247.472,185.431 255.582,185.431 263.813,177.2 R16.2@263.91,177.2